# Altium PCB LAY-94611_B.PcbDoc (part 12 of 16)
Units mil, origin at the board's own origin, x right, y up, seen from the top; angles counter-clockwise.
Board outline 4133.86 x 2559.05 mil, 10 copper layers (TOP, GND02, ART03, PWR04, PWR05, ART06, GND7, ART08, GND09, BOTTOM), stack 57.82 mil thick; 1104 components, 727 nets, 3774 pads, 1630 vias.
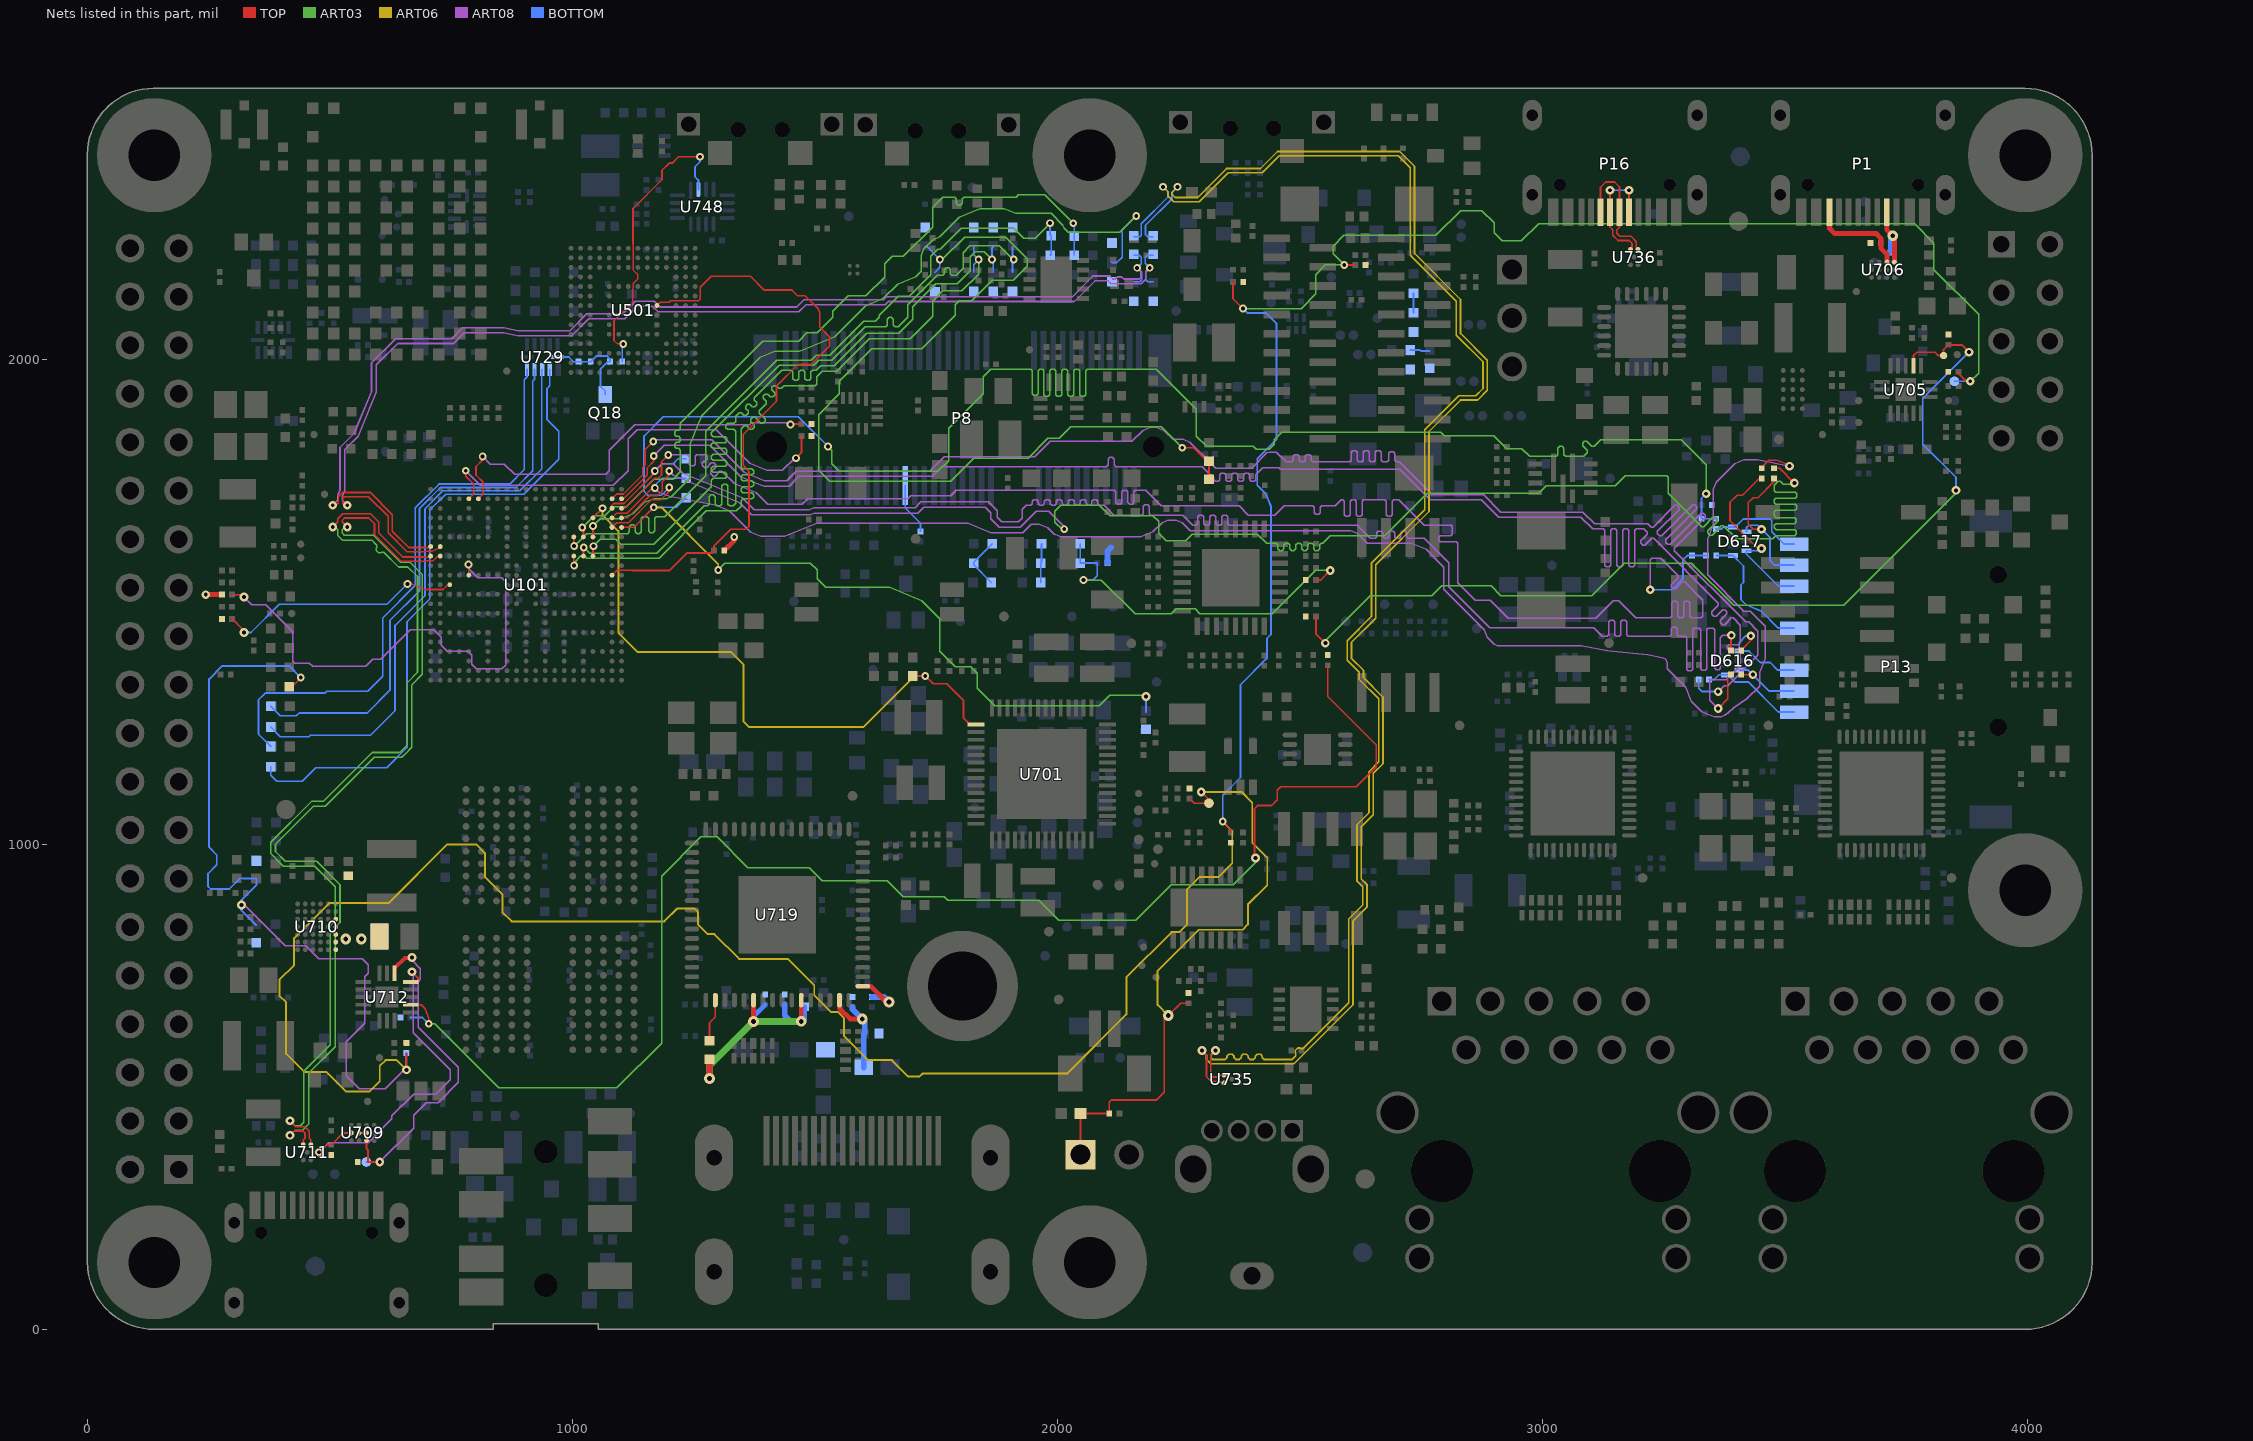
[diagram p20: the nets of this part, all layers, seen from the top]

## Via types
v1: diameter 16/16/0/0/0/0/16/0/16/16 (per signal layer), hole 8, TOP to BOTTOM, tented both sides, 177 vias
v2: diameter 22/22/0/0/0/0/22/0/22/22 (per signal layer), hole 10, TOP to BOTTOM, tented both sides, 156 vias
v3: diameter 16/0/16/0/0/0/0/0/0/16 (per signal layer), hole 8, TOP to BOTTOM, tented both sides, 137 vias
v4: diameter 16/0/0/0/0/16/0/0/0/16 (per signal layer), hole 8, TOP to BOTTOM, tented both sides, 94 vias
v5: diameter 16, hole 8, TOP to BOTTOM, tented both sides, 88 vias
v6: diameter 18/0/0/0/0/0/0/18/0/18 (per signal layer), hole 8, TOP to BOTTOM, tented both sides, 84 vias
v7: diameter 22, hole 10, TOP to BOTTOM, tented both sides, 83 vias
v8: diameter 18, hole 8.1, TOP to BOTTOM, tented both sides, 78 vias
v9: diameter 16/0/0/0/0/0/0/16/0/16 (per signal layer), hole 8, TOP to BOTTOM, tented both sides, 77 vias
v10: diameter 18/18/0/0/0/0/18/0/18/18 (per signal layer), hole 8, TOP to BOTTOM, tented both sides, 62 vias
v11: diameter 18/0/18/0/0/0/0/0/0/18 (per signal layer), hole 8, TOP to BOTTOM, tented both sides, 50 vias
v12: diameter 16/0/0/16/0/0/0/0/0/16 (per signal layer), hole 8, TOP to BOTTOM, tented both sides, 49 vias
v13: diameter 22/0/0/0/22/0/0/0/0/22 (per signal layer), hole 10, TOP to BOTTOM, tented both sides, 49 vias
v14: diameter 22/0/22/0/0/0/0/0/0/22 (per signal layer), hole 10, TOP to BOTTOM, tented both sides, 48 vias
v15: diameter 18, hole 8, TOP to BOTTOM, tented both sides, 47 vias
v16: diameter 16/0/0/0/16/0/0/0/0/16 (per signal layer), hole 8, TOP to BOTTOM, tented both sides, 40 vias
v17: diameter 22/0/0/22/0/0/0/0/0/22 (per signal layer), hole 10, TOP to BOTTOM, tented both sides, 40 vias
v18: diameter 22/0/0/0/0/0/0/22/0/22 (per signal layer), hole 10, TOP to BOTTOM, tented both sides, 31 vias
v19: diameter 22/0/0/0/0/22/0/0/0/22 (per signal layer), hole 10, TOP to BOTTOM, tented both sides, 30 vias
v20: diameter 18/0/0/0/0/18/0/0/0/18 (per signal layer), hole 8, TOP to BOTTOM, tented both sides, 27 vias
v21: diameter 16/16/16/0/0/0/0/0/0/16 (per signal layer), hole 8, TOP to BOTTOM, tented both sides, 24 vias
v22: diameter 16/0/16/0/0/16/0/0/0/16 (per signal layer), hole 8, TOP to BOTTOM, tented both sides, 14 vias
v23: diameter 22/22/0/22/0/0/22/0/22/22 (per signal layer), hole 10, TOP to BOTTOM, tented both sides, 14 vias
v24: diameter 16/16/16/0/0/0/16/0/16/16 (per signal layer), hole 8, TOP to BOTTOM, tented both sides, 11 vias
v25: diameter 18/0/0/0/0/18/0/18/0/18 (per signal layer), hole 8, TOP to BOTTOM, tented both sides, 11 vias
v26: diameter 18/0/0/18/0/0/0/0/0/18 (per signal layer), hole 8, TOP to BOTTOM, tented both sides, 11 vias
v27: diameter 18/0/0/0/18/0/0/0/0/18 (per signal layer), hole 8, TOP to BOTTOM, tented both sides, 10 vias
v28: diameter 16/0/16/0/0/0/0/16/0/16 (per signal layer), hole 8, TOP to BOTTOM, tented both sides, 8 vias
v29: diameter 16/16/0/16/0/0/16/0/16/16 (per signal layer), hole 8, TOP to BOTTOM, tented both sides, 8 vias
v30: diameter 18/18/0/18/0/0/18/0/18/18 (per signal layer), hole 8, TOP to BOTTOM, tented both sides, 6 vias
v31: diameter 22/0/0/0/22/22/0/0/0/22 (per signal layer), hole 10, TOP to BOTTOM, tented both sides, 6 vias
v32: diameter 16/0/16/16/0/0/0/0/0/16 (per signal layer), hole 8, TOP to BOTTOM, tented both sides, 5 vias
v33: diameter 18/18/0/18/18/0/18/0/18/18 (per signal layer), hole 8, TOP to BOTTOM, tented both sides, 5 vias
v34: diameter 16/0/0/0/0/16/0/16/0/16 (per signal layer), hole 8, TOP to BOTTOM, tented both sides, 4 vias
v35: diameter 22/0/22/22/0/0/0/0/0/22 (per signal layer), hole 10, TOP to BOTTOM, tented both sides, 4 vias
v36: diameter 16/0/16/16/0/16/0/0/0/16 (per signal layer), hole 8, TOP to BOTTOM, tented both sides, 3 vias
v37: diameter 22/22/0/0/22/0/22/0/22/22 (per signal layer), hole 10, TOP to BOTTOM, tented both sides, 3 vias
v38: diameter 22/0/0/22/22/22/0/0/0/22 (per signal layer), hole 10, TOP to BOTTOM, tented both sides, 3 vias
v39: diameter 22/0/22/0/0/22/0/0/0/22 (per signal layer), hole 10, TOP to BOTTOM, tented both sides, 3 vias
v40: diameter 22/0/22/0/0/0/0/22/0/22 (per signal layer), hole 10, TOP to BOTTOM, tented both sides, 3 vias
v41: diameter 16/0/16/0/16/0/0/0/0/16 (per signal layer), hole 8, TOP to BOTTOM, tented both sides, 3 vias
v42: diameter 22/22/0/22/22/0/22/0/22/22 (per signal layer), hole 10, TOP to BOTTOM, tented both sides, 2 vias
v43: diameter 18/0/18/0/0/0/0/18/0/18 (per signal layer), hole 8, TOP to BOTTOM, tented both sides, 2 vias
v44: diameter 22/0/0/22/0/22/0/0/0/22 (per signal layer), hole 10, TOP to BOTTOM, tented both sides, 2 vias
v45: diameter 22/0/0/0/0/22/0/22/0/22 (per signal layer), hole 10, TOP to BOTTOM, tented both sides, 2 vias
v46: diameter 22/0/22/0/22/0/0/0/0/22 (per signal layer), hole 10, TOP to BOTTOM, tented both sides, 2 vias
v47: diameter 22/0/0/22/22/0/0/0/0/22 (per signal layer), hole 10, TOP to BOTTOM, tented both sides, 2 vias
v48: diameter 16/0/0/16/0/16/0/0/0/16 (per signal layer), hole 8, TOP to BOTTOM, tented both sides, 1 vias
v49: diameter 18/0/18/0/0/18/0/0/0/18 (per signal layer), hole 8, TOP to BOTTOM, tented both sides, 1 vias
v50: diameter 18/18/0/0/18/0/18/0/18/18 (per signal layer), hole 8, TOP to BOTTOM, tented both sides, 1 vias
v51: diameter 16/16/0/16/16/0/16/0/16/16 (per signal layer), hole 8, TOP to BOTTOM, tented both sides, 1 vias
v52: diameter 18/0/18/0/18/0/0/0/0/18 (per signal layer), hole 8, TOP to BOTTOM, tented both sides, 1 vias
v53: diameter 18/0/0/0/18/18/0/0/0/18 (per signal layer), hole 8, TOP to BOTTOM, tented both sides, 1 vias
v54: diameter 22/0/22/0/22/22/0/22/0/22 (per signal layer), hole 10, TOP to BOTTOM, tented both sides, 1 vias
v55: diameter 22/0/0/0/22/22/0/22/0/22 (per signal layer), hole 10, TOP to BOTTOM, tented both sides, 1 vias
v56: diameter 16/16/16/0/0/0/16/0/0/16 (per signal layer), hole 8, TOP to BOTTOM, tented both sides, 1 vias
v57: diameter 22/0/0/22/0/0/0/22/0/22 (per signal layer), hole 10, TOP to BOTTOM, tented both sides, 1 vias
v58: diameter 16/0/0/0/16/16/0/0/0/16 (per signal layer), hole 8, TOP to BOTTOM, tented both sides, 1 vias
v59: diameter 16/0/0/16/16/0/0/0/0/16 (per signal layer), hole 8, TOP to BOTTOM, tented both sides, 1 vias

## Nets (pads, with @x,y where several pads share a name; then routed paths per layer and width w, separated by ;. In a path a pad name is that pad's centre, name@x,y a point inside that pad or via, vN(x,y) a via of type N, cw(c..) or ccw(c..) an arc to the next point about the centre after c; other vN are vias at no path point) (continued)
SD1_STROBE: R822.2 U101.Y12 U501.H5 | length 1317.4
  TOP w3.2: U101.Y12@1081.76,1555.18 1091.58,1565 1122.8,1565 ; U501.H5@1174.39,2111.08 1181.22,2117.92 1199.9,2117.92 1202.98,2121 1260.18,2121 1263.8,2124.62 1263.8,2125.78
  TOP w3.62: 1122.8,1565 1200.8,1565 1236.8,1601 1287.29,1601 1292.29,1606 1292.29,1615.99 1326.3,1650 1357.8,1650 1364.18,1656.38 1364.18,1769.61 1352.18,1781.61 1352.18,1845.33 1421.18,1914.33 1421.18,1945.4 1465.4,1989.62 1492.4,1989.62 1530,2027.22 1530,2046.98 1510,2066.98 1510,2096.59 1506.71,2104.53 1479.74,2131.5 1464.3,2131.5 1452.8,2143 1395.79,2143 1367.41,2171.38 1286.38,2171.38 1263.8,2148.8 1263.8,2125.78
  TOP w10: R822.2@1313.31,1606 1333.8,1626.49 v1(1333.8,1634)
SD2_CLK: R2898.1 R2901.1 U101.AA19 | length 3610.6
  TOP w3.2: U101.AA19@1101.45,1692.97 1108.27,1692.97 1170.3,1755 1177.32,1755 1183.8,1761.48 1183.8,1789 v9(1197.8,1803)
  ART08 w3.09: v9(1197.8,1803) 1237.45,1803 1240.54,1799.91 1240.54,1784.09 1243.63,1781 1249.81,1781 1252.9,1784.09 1252.9,1799.91 1255.99,1803 1274.8,1803 1277.96,1799.84 1277.96,1795.48 1268.32,1785.84 1268.32,1781.48 1272.7,1777.1 1277.06,1777.1 1286.7,1786.74 1291.06,1786.74 1295.44,1782.36 1295.44,1778 1285.8,1768.36 1285.8,1764 1290.18,1759.62 1294.54,1759.62 1304.18,1769.26 1308.54,1769.26 1334.61,1743.19 1379,1724.8 1402.8,1701 1473.8,1701 1485.8,1713 1691.8,1713 1697.8,1719 1780.8,1719 1791.8,1730 2117.13,1730 2120.22,1726.91 2120.22,1705.09 2124.31,1701 2129.49,1701 2132.58,1704.09 2132.58,1726.91 2135.67,1730 2141.85,1730 2144.94,1726.91 2144.94,1705.09 2149.03,1701 2154.21,1701 2157.3,1704.09 2157.3,1726.91 2160.39,1730 2182.8,1730 2214.8,1698 2374.8,1698 2393.8,1679 2448.8,1679 2467.8,1698 2527.17,1698 2530.26,1694.91 2530.26,1684.02 2533.35,1680.93 2539.53,1680.93 2542.62,1684.02 2542.62,1694.91 2545.71,1698 2572.8,1698 2585.8,1711 2588.75,1711 2591.84,1707.91 2591.84,1680.09 2594.93,1677 2601.11,1677 2604.2,1680.09 2604.2,1707.91 2607.29,1711 2613.47,1711 2616.56,1707.91 2616.56,1680.09 2619.65,1677 2625.83,1677 2628.92,1680.09 2628.92,1707.91 2632.01,1711 2674.82,1711 2677.91,1707.91 2677.91,1680.09 2681,1677 2687.18,1677 2690.27,1680.09 2690.27,1707.91 2693.36,1711 2703.8,1711 2756.8,1658 2811.71,1658 2814.8,1654.91 2814.8,1639.68 2811.71,1636.59 2789.89,1636.59 2786.8,1633.5 2786.8,1627.32 2789.89,1624.23 2822.71,1624.23 2825.8,1621.14 2825.8,1539.2 2862,1503 2893,1503 2930,1466 3110.8,1466 3146.8,1502 3158,1502 3193,1467 3263.82,1467 3266.91,1470.09 3266.91,1497.91 3270,1501 3276.18,1501 3279.27,1497.91 3279.27,1470.09 3282.36,1467 3288.54,1467 3291.63,1470.09 3291.63,1497.91 3294.72,1501 3300.9,1501 3303.99,1497.91 3303.99,1470.09 3307.08,1467 3327.97,1467 3331.06,1470.09 3331.06,1503.73 3293.59,1541.2 3289.22,1541.2 3275.09,1527.07 3270.73,1527.07 3266.35,1531.45 3266.35,1535.81 3280.48,1549.94 3280.48,1554.31 3244.79,1590 3225.89,1590 3222.8,1586.91 v6(3222.8,1525)
  BOTTOM w3.62: v6(3222.8,1525) 3267.8,1525 3290.21,1547.41 3290.21,1586.78 3298.98,1595.55 R2898.1@3308.94,1595.55 3337.92,1595.55
SD2_CMD: R311.2 R2900.1 U101.Y19 | length 3604.7
  TOP w3.2: U101.Y19@1081.76,1692.97 1081.76,1699.71 1084.96,1702.91 1106.71,1702.91 1170.01,1766.21 v9(1170.01,1770)
  TOP w3.62: 3389.49,1400 3389.49,1430.49 v6(3390,1431)
  ART08 w3.09: v9(1170.01,1770) 1185.01,1785 1207.8,1785 1227.43,1765.37 1350.34,1714.46 1374.8,1690 1488.22,1690 1497.85,1694 1706.7,1694 1718.8,1706.1 1857.7,1706.1 1875.8,1688 1875.8,1675 1885.8,1665 1919.8,1665 1927.8,1673 1927.8,1690.8 1936,1699 1945.21,1699 1948.3,1702.09 1948.3,1707.91 1951.39,1711 1957.57,1711 1960.66,1707.91 1960.66,1702.09 1963.75,1699 1969.93,1699 1973.02,1702.09 1973.02,1707.91 1976.11,1711 1982.29,1711 1985.38,1707.91 1985.38,1702.09 1988.47,1699 1994.65,1699 1997.74,1702.09 1997.74,1707.91 2000.83,1711 2007.01,1711 2010.1,1707.91 2010.1,1702.09 2013.19,1699 2019.37,1699 2022.46,1702.09 2022.46,1707.91 2025.55,1711 2031.73,1711 2034.82,1707.91 2034.82,1702.09 2037.91,1699 2044.09,1699 2047.18,1702.09 2047.18,1707.91 2050.27,1711 2056.45,1711 2059.54,1707.91 2059.54,1702.09 2062.63,1699 2068.1,1699 2071.19,1702.09 2071.19,1707.91 2074.28,1711 2080.46,1711 2083.55,1707.91 2083.55,1702.09 2086.64,1699 2096.8,1699 2116.8,1679 2174.47,1679 2177.56,1682.09 2177.56,1696.91 2180.65,1700 2186.83,1700 2189.92,1696.91 2189.92,1682.09 2193.01,1679 2258.8,1679 2279.8,1658 2286.4,1658 2289.49,1661.09 2289.49,1675.91 2292.58,1679 2298.76,1679 2301.85,1675.91 2301.85,1661.09 2304.94,1658 2311.12,1658 2314.21,1661.09 2314.21,1675.91 2317.3,1679 2323.48,1679 2326.57,1675.91 2326.57,1661.09 2329.66,1658 2335.84,1658 2338.93,1661.09 2338.93,1675.91 2342.02,1679 2348.2,1679 2351.29,1675.91 2351.29,1661.09 2354.38,1658 2619.06,1658 2645.79,1631.27 2655.27,1631.27 2658.36,1634.36 2658.36,1642.91 2661.45,1646 2667.63,1646 2670.72,1642.91 2670.72,1634.36 2673.81,1631.27 2679.99,1631.27 2683.08,1634.36 2683.08,1642.91 2686.17,1646 2692.35,1646 2695.44,1642.91 2695.44,1634.36 2698.53,1631.27 2704.71,1631.27 2707.8,1634.36 2707.8,1642.91 2710.89,1646 2717.07,1646 2720.16,1642.91 2720.16,1634.36 2723.25,1631.27 2756.53,1631.27 2807.4,1580.4 2807.4,1531.11 2891.51,1447 3105.8,1447 3123.8,1429 3133.92,1429 3137.01,1432.09 3137.01,1458.91 3140.1,1462 3146.28,1462 3149.37,1458.91 3149.37,1432.09 3152.46,1429 3158.64,1429 3161.73,1432.09 3161.73,1458.91 3164.82,1462 3171,1462 3174.09,1458.91 3174.09,1432.09 3177.18,1429 3263.11,1429 3266.2,1432.09 3266.2,1444.91 3269.29,1448 3275.47,1448 3278.56,1444.91 3278.56,1432.09 3281.65,1429 3294.85,1429 3297.94,1425.91 3297.94,1361.09 3301.03,1358 3307.21,1358 3310.3,1361.09 3310.3,1442.91 3313.39,1446 3323.76,1446 3326.85,1442.91 3326.85,1361.94 3329.94,1358.85 3336.12,1358.85 3339.21,1361.94 3339.21,1442.9 3342.31,1446 3352.22,1446 3355.31,1442.91 3355.31,1363.09 3358.4,1360 3364.58,1360 3367.67,1363.09 3367.67,1425.91 3372.76,1431 v6(3390,1431)
  BOTTOM w3.62: v9(1170.01,1770) 1185.01,1785 1207.8,1785 1217.84,1795.04 R311.2@1234.6,1795.04
SD2_DATA0: R310.2 R2902.1 U101.Y18 | length 3475.5
  TOP w3.2: U101.Y18@1081.76,1673.29 1091.6,1683.13 1112.94,1683.13 1164.81,1735 v9(1170.01,1735)
  TOP w3.62: 3452.8,1775.51 3452.8,1777.79 3467.01,1792 3482.49,1792 3487.17,1791.07 3507.24,1782.76 v6(3510,1780)
  ART08 w3.09: v9(1170.01,1735) 1177.46,1727.55 1199.57,1718.39 1297.05,1699 1323.93,1687.87 1368.29,1643.51 1388.83,1635 1438.21,1635 1503.86,1662.2 1816.45,1662.2 1862.82,1643 1929,1643 1946.5,1660.5 1962.56,1660.5 1980.39,1653.11 1993.62,1639.88 2007.82,1634 2171.93,1634 2197.31,1644.51 2216.54,1663.74 2228.03,1668.5 2244.97,1668.5 2257.49,1663.31 2273.8,1647 2604.75,1647 2618.81,1641.18 2638.81,1621.18 2729.46,1621.18 2760.46,1608.34 2796.8,1572 2796.8,1526 2880.14,1442.66 2886.4,1427.6 2901.59,1412.41 2907.41,1410 3080.72,1410 3134.81,1399.24 3217.38,1391.1 3247.14,1385.18 3253.22,1382.66 3257.83,1375.76 3257.83,1362.17 3295.76,1324.24 3307.78,1295.22 3329.35,1273.65 3355.07,1263 3369.17,1263 3376.67,1266.11 3384.01,1271.01 3395.11,1282.11 3422.25,1300.25 3448.27,1326.27 3448.27,1354.68 3460,1382.99 3460,1450 3429.1,1480.9 3415.9,1480.9 3341,1555.8 3341,1630.76 3352.8,1659.25 3352.8,1732.28 3358.97,1747.17 3397.12,1785.32 3415.66,1793 3444.63,1793 v6(3510,1780)
  BOTTOM w3.62: v9(1170.01,1735) 1170.01,1740 1185.05,1755.04 R310.2@1234.6,1755.04
SD2_DATA1: R2904.1 U101.AA18 | length 3488.8
  TOP w3.2: U101.AA18@1101.45,1673.29 1113.8,1673.29 1159.51,1719 1175.8,1719 1185.8,1729 1185.8,1748 1199.8,1762 v9(1199.8,1770)
  TOP w3.62: 3477.8,1775.51 3489.49,1775.51 v11(3520,1745)
  ART03 w3.09: v28(2014.3,1650) 2009.8,1650 1995.2,1664.6 1995.2,1687.4 2007.4,1699.6 2086.8,1699.6 2108.9,1677.5 2197.3,1677.5 2208.8,1666 2208.8,1642 2224.8,1626 2264.8,1626 2278.8,1640 2412.8,1640 2431.8,1621 2451.06,1621 2454.68,1617.38 2454.68,1609.62 2458.3,1606 2463.42,1606 2467.04,1609.62 2467.04,1617.38 2470.66,1621 2475.78,1621 2479.4,1617.38 2479.4,1609.62 2483.02,1606 2488.14,1606 2491.76,1609.62 2491.76,1617.38 2495.38,1621 2500.5,1621 2504.12,1617.38 2504.12,1609.62 2507.74,1606 2512.86,1606 2516.48,1609.62 2516.48,1617.38 2520.1,1621 2525.22,1621 2528.84,1617.38 2528.84,1609.62 2532.46,1606 2537.58,1606 2541.2,1609.62 2541.2,1617.38 2544.82,1621 2547.8,1621 2563.3,1636.5 2675.3,1636.5 2763.2,1724.4 2992.41,1724.4 3008.01,1740 3151,1740 3171,1760 3256.91,1760 3260,1756.91 3260,1723.82 3328.5,1655.32 3332.86,1655.32 3351.99,1674.45 3356.35,1674.45 3360.73,1670.07 3360.73,1665.71 3341.6,1646.58 3341.6,1642.22 3345.98,1637.84 3350.34,1637.84 3369.47,1656.97 3373.83,1656.97 3400.8,1630 3475.71,1630 3478.8,1633.09 3478.8,1633.23 3482.42,1636.85 3520.38,1636.85 3524,1640.47 3524,1645.59 3520.38,1649.21 3482.42,1649.21 3478.8,1652.83 3478.8,1657.95 3482.42,1661.57 3520.38,1661.57 3524,1665.19 3524,1670.31 3520.38,1673.93 3482.42,1673.93 3478.8,1677.55 3478.8,1686.24 3481.89,1689.33 3521.71,1689.33 3524.8,1692.42 3524.8,1698.6 3521.71,1701.69 3481.89,1701.69 3478.8,1704.78 3478.8,1710.96 3481.89,1714.05 3521.71,1714.05 3524.8,1717.14 3524.8,1723.32 3521.71,1726.41 3481.89,1726.41 3478.8,1729.5 3478.8,1741 3486.33,1748.53 3490.69,1748.53 3496.83,1742.39 3517.39,1742.39 v11(3520,1745)
  ART08 w3.09: v9(1199.8,1770) 1208.3,1761.5 1344.87,1704.93 1370.2,1679.6 1490.82,1679.6 1499.03,1683 1712.1,1683 1724.8,1695.7 1851.1,1695.7 1862.8,1684 1862.8,1672 1880.8,1654 1923.8,1654 1956.8,1687 1982.8,1687 2014.64,1655.16 2014.64,1650.34 v28(2014.3,1650)
SD2_DATA2: R2903.1 U101.Y20 | length 3634.4
  TOP w3.2: U101.Y20@1081.76,1712.66 1091.69,1722.59 1105.57,1722.59 1144.8,1761.82 1144.8,1776.99 1149.8,1781.99 1149.8,1814 v9(1166.8,1831)
  ART08 w3.09: v9(1166.8,1831) 1169.8,1834 1287.8,1834 1354.61,1767.19 1396.11,1750 1441.8,1750 1461.3,1769.5 1737.3,1769.5 1766.8,1799 1953.8,1799 1985.8,1831 2153.8,1831 2176.26,1853.46 2192.05,1860 2204.14,1860 2220.63,1853.17 2238.8,1835 2259.57,1835 2273.62,1829.18 2326.8,1776 2400.8,1776 2431.95,1807.15 2436.41,1809 2451.8,1809 2471.8,1789 2483.44,1789 2486.53,1792.09 2486.53,1799.91 2489.62,1803 2495.8,1803 2498.89,1799.91 2498.89,1792.09 2501.98,1789 2508.16,1789 2511.25,1792.09 2511.25,1799.91 2514.34,1803 2520.52,1803 2523.61,1799.91 2523.61,1792.09 2526.7,1789 2603.27,1789 2606.36,1792.09 2606.36,1808.91 2609.45,1812 2615.63,1812 2618.72,1808.91 2618.72,1792.09 2621.81,1789 2627.99,1789 2631.08,1792.09 2631.08,1808.91 2634.17,1812 2640.35,1812 2643.44,1808.91 2643.44,1792.09 2646.53,1789 2652.71,1789 2655.8,1792.09 2655.8,1808.91 2658.89,1812 2665.07,1812 2668.16,1808.91 2668.16,1792.09 2671.25,1789 2680.17,1789 2683.26,1792.09 2683.26,1806.91 2686.35,1810 2692.53,1810 2695.62,1806.91 2695.62,1792.09 2698.71,1789 2705.31,1789 2773.22,1721.09 2878.98,1721.09 2914.98,1685.09 3083.98,1685.09 3107.98,1661.09 3217.39,1661.09 3224.41,1654.07 3228.77,1654.07 3273.67,1698.97 3278.03,1698.97 3282.41,1694.59 3282.41,1690.23 3237.51,1645.33 3237.51,1640.97 3241.89,1636.59 3246.25,1636.59 3310.05,1700.39 3314.41,1700.39 3318.79,1696.01 3318.79,1691.65 3254.99,1627.85 3254.99,1623.49 3259.37,1619.11 3263.73,1619.11 3327.53,1682.91 3331.89,1682.91 3336.27,1678.53 3336.27,1674.17 3272.47,1610.37 3272.47,1606.01 3419.24,1459.24 3425.76,1459.24 3445,1440 3445,1390 3382.5,1327.5 3375.3,1327.5 v6(3362.8,1315)
  BOTTOM w3.62: 3322.92,1340 3322.92,1322.08 3330,1315 v6(3362.8,1315)
SD2_DATA3: R2905.1 U101.AA20 | length 3612.2
  TOP w3.2: U101.AA20@1101.45,1712.66 1105.47,1712.66 1154.8,1761.99 1154.8,1776.99 1167.8,1789.99 v9(1167.8,1801)
  TOP w3.62: v6(3362.8,1280) 3382.8,1300 3382.8,1343.31 3389.49,1350
  ART08 w3.09: v9(1167.8,1801) 1189.8,1823 1282.8,1823 1347.19,1758.61 1394.53,1739 1446.8,1739 1466.8,1759 1741.8,1759 1761.8,1779 2100.98,1779 2104.6,1782.62 2104.6,1794.38 2108.22,1798 2113.34,1798 2116.96,1794.38 2116.96,1782.62 2120.58,1779 2298.8,1779 2322.38,1755.42 2322.38,1752.09 2325.47,1749 2331.65,1749 2334.74,1752.09 2334.74,1761.91 2337.83,1765 2344.01,1765 2347.1,1761.91 2347.1,1752.09 2350.19,1749 2356.37,1749 2359.46,1752.09 2359.46,1761.91 2362.55,1765 2368.73,1765 2371.82,1761.91 2371.82,1752.09 2374.91,1749 2381.09,1749 2384.18,1752.09 2384.18,1761.91 2387.27,1765 2393.45,1765 2396.54,1761.91 2396.54,1752.09 2399.63,1749 2405.81,1749 2408.9,1752.09 2408.9,1761.91 2411.99,1765 2412.8,1765 2424.1,1776.3 2457.5,1776.3 2459.8,1774 2706.04,1774 2769.04,1711 2874.8,1711 2910.8,1675 3079.8,1675 3103.8,1651 3126.01,1651 3129.1,1647.91 3129.1,1576.09 3132.19,1573 3138.37,1573 3141.46,1576.09 3141.46,1647.91 3144.55,1651 3150.73,1651 3153.82,1647.91 3153.82,1576.09 3156.91,1573 3163.09,1573 3166.18,1576.09 3166.18,1647.91 3169.27,1651 3175.45,1651 3178.54,1647.91 3178.54,1576.09 3181.63,1573 3187.81,1573 3190.9,1576.09 3190.9,1647.91 3193.99,1651 3209.8,1651 3216.77,1644.03 3216.77,1639.67 3203.13,1626.03 3203.13,1621.67 3207.51,1617.29 3211.87,1617.29 3225.51,1630.93 3229.87,1630.93 3363.39,1497.41 3363.39,1493.05 3349.75,1479.41 3349.75,1475.05 3354.13,1470.67 3358.49,1470.67 3372.13,1484.31 3376.49,1484.31 3380.87,1479.93 3380.87,1475.57 3367.23,1461.93 3367.23,1457.57 3371.61,1453.19 3375.97,1453.19 3389.61,1466.83 3393.97,1466.83 3408.8,1452 3408.8,1415.66 3405.18,1412.04 3385.62,1412.04 3382,1408.42 3382,1403.3 3385.62,1399.68 3405.18,1399.68 3408.8,1396.06 3408.8,1368.8 3380,1340 3348.64,1340 3345.55,1336.91 3345.55,1297.25 v6(3362.8,1280)
SD2_nCD: R2896.1 R2897.2 R2899.1 U101.Y17 | length 3659.4
  TOP w3.2: U101.Y17@1081.76,1653.6 1091.59,1663.43 1115.8,1663.43 1163.37,1711 1182.8,1711 1199.8,1728 v5(1199.8,1736)
  ART03 w3.09: v3(1527.3,1820.5) 1534.8,1813 1534.8,1785 1550.8,1769 1753.8,1769 1775.7,1790.9 1775.7,1858.47 1846.8,1929.57 1846.8,1964 1862.8,1980 1944.78,1980 1947.87,1976.91 1947.87,1929.09 1950.96,1926 1957.14,1926 1960.23,1929.09 1960.23,1976.91 1963.32,1980 1969.5,1980 1972.59,1976.91 1972.59,1927.09 1975.68,1924 1981.86,1924 1984.95,1927.09 1984.95,1976.91 1988.04,1980 1994.22,1980 1997.31,1976.91 1997.31,1927.09 2000.4,1924 2006.58,1924 2009.67,1927.09 2009.67,1976.91 2012.76,1980 2018.94,1980 2022.03,1976.91 2022.03,1927.09 2025.12,1924 2031.3,1924 2034.39,1927.09 2034.39,1976.91 2037.48,1980 2043.66,1980 2046.75,1976.91 2046.75,1927.09 2049.84,1924 2056.02,1924 2059.11,1927.09 2059.11,1976.91 2062.2,1980 2204.17,1980 2287,1897.17 2287,1842 2308,1821 2404,1821 2410,1815 2437,1815 2447,1825 2447,1834 2463,1850 2791,1850 2798,1843 2900,1843 2927,1816 2958,1816 2974,1800 3028.62,1800 3032.24,1803.62 3032.24,1817.38 3035.86,1821 3040.98,1821 3044.6,1817.38 3044.6,1803.62 3048.22,1800 3086,1800 3093.21,1807.21 3093.21,1812.33 3083.33,1822.21 3083.33,1827.33 3086.95,1830.95 3092.07,1830.95 3101.95,1821.07 3107.07,1821.07 3120.5,1834.5 3286.5,1834.5 3338.03,1782.97 v11(3338.03,1723.1)

## Text inside footprints (layer, text, board x,y; h text height)
U101: Top Pin Number "G12" at 836.62,1562.52 h10 r180; Top Pin Number "V8" at 1061.15,1483.77 h10 r180; Top Pin Number "V6" at 1061.15,1444.4 h10 r180; Top Pin Number "Y6" at 1100.52,1444.4 h10 r180; Top Pin Number "U8" at 1041.47,1483.77 h10 r180; Top Pin Number "AA4" at 1112.21,1405.03 h10 r180; Top Pin Number "U6" at 1041.47,1444.4 h10 r180; Top Pin Number "Y5" at 1100.52,1424.72 h10 r180; Top Pin Number "Y4" at 1100.52,1405.03 h10 r180; Top Pin Number "V2" at 1061.15,1365.66 h10 r180; Top Pin Number "V1" at 1061.15,1345.98 h10 r180; Top Pin Number "R1" at 1002.1,1345.98 h10 r180; Top Pin Number "N2" at 962.73,1365.66 h10 r180; Top Pin Number "D4" at 785.56,1405.03 h10 r180; Top Pin Number "M2" at 943.04,1365.66 h10 r180; Top Pin Number "U1" at 1041.47,1345.98 h10 r180; Top Pin Number "K1" at 903.67,1345.98 h10 r180; Top Pin Number "M1" at 943.04,1345.98 h10 r180; Top Pin Number "R4" at 1002.1,1405.03 h10 r180; Top Pin Number "G1" at 844.62,1345.98 h10 r180; Top Pin Number "P2" at 982.41,1365.66 h10 r180; Top Pin Number "U2" at 1041.47,1365.66 h10 r180; Top Pin Number "A16" at 718.51,1641.26 h10 r180; Top Pin Number "N1" at 962.73,1345.98 h10 r180; Top Pin Number "D2" at 785.56,1365.66 h10 r180; Top Pin Number "H2" at 864.3,1365.66 h10 r180; Top Pin Number "E4" at 805.25,1405.03 h10 r180; Top Pin Number "K2" at 903.67,1365.66 h10 r180; Top Pin Number "J4" at 883.99,1405.03 h10 r180; Top Pin Number "N4" at 962.73,1405.03 h10 r180; Top Pin Number "H1" at 864.3,1345.98 h10 r180; Top Pin Number "P1" at 982.41,1345.98 h10 r180; Top Pin Number "L4" at 923.36,1405.03 h10 r180; Top Pin Number "J1" at 883.99,1345.98 h10 r180; Top Pin Number "G14" at 836.62,1601.89 h10 r180; Top Pin Number "T2" at 1021.78,1365.66 h10 r180; Top Pin Number "R2" at 1002.1,1365.66 h10 r180; Top Pin Number "G2" at 844.62,1365.66 h10 r180; Top Pin Number "F2" at 824.93,1365.66 h10 r180; Top Pin Number "E2" at 805.25,1365.66 h10 r180; Top Pin Number "D1" at 785.56,1345.98 h10 r180; Top Pin Number "E1" at 805.25,1345.98 h10 r180; Top Pin Number "R5" at 1002.1,1424.72 h10 r180; Top Pin Number "J2" at 883.99,1365.66 h10 r180; Top Pin Number "D18" at 777.56,1680.63 h10 r180; Top Pin Number "G5" at 844.62,1424.72 h10 r180; Top Pin Number "Y12" at 1092.52,1562.52 h10 r180; Top Pin Number "AA13" at 1104.21,1582.2 h10 r180; Top Pin Number "F1" at 824.93,1345.98 h10 r180; Top Pin Number "AA14" at 1104.21,1601.89 h10 r180; Top Pin Number "G4" at 844.62,1405.03 h10 r180; Top Pin Number "L2" at 923.36,1365.66 h10 r180; Top Pin Number "Y14" at 1092.52,1601.89 h10 r180; Top Pin Number "Y15" at 1092.52,1621.57 h10 r180; Top Pin Number "E16" at 797.25,1641.26 h10 r180; Top Pin Number "Y16" at 1092.52,1641.26 h10 r180; Top Pin Number "AA16" at 1104.21,1641.26 h10 r180; Top Pin Number "AA15" at 1104.21,1621.57 h10 r180; Top Pin Number "AA12" at 1104.21,1562.52 h10 r180; Top Pin Number "Y13" at 1092.52,1582.2 h10 r180; Top Pin Number "E18" at 797.25,1680.63 h10 r180; Top Pin Number "Y11" at 1092.52,1542.83 h10 r180; Top Pin Number "D16" at 777.56,1641.26 h10 r180; Top Pin Number "AA9" at 1112.21,1503.46 h10 r180; Top Pin Number "AA3" at 1112.21,1385.35 h10 r180; Top Pin Number "T8" at 1021.78,1483.77 h10 r180; Top Pin Number "AA19" at 1104.21,1700.31 h10 r180; Top Pin Number "W11" at 1072.84,1542.83 h10 r180; Top Pin Number "Y7" at 1100.52,1464.09 h10 r180; Top Pin Number "AA17" at 1104.21,1660.94 h10 r180; Top Pin Number "Y8" at 1100.52,1483.77 h10 r180; Top Pin Number "T14" at 1013.78,1601.89 h10 r180; Top Pin Number "Y18" at 1092.52,1680.63 h10 r180; Top Pin Number "U10" at 1033.47,1523.14 h10 r180; Top Pin Number "T12" at 1013.78,1562.52 h10 r180; Top Pin Number "Y10" at 1092.52,1523.14 h10 r180; Top Pin Number "B11" at 738.19,1542.83 h10 r180; Top Pin Number "T16" at 1013.78,1641.26 h10 r180; Top Pin Number "E14" at 797.25,1601.89 h10 r180; Top Pin Number "A11" at 718.51,1542.83 h10 r180; Top Pin Number "AA8" at 1112.21,1483.77 h10 r180; Top Pin Number "F12" at 816.93,1562.52 h10 r180; Top Pin Number "E10" at 797.25,1523.14 h10 r180; Top Pin Number "Y9" at 1100.52,1503.46 h10 r180; Top Pin Number "D10" at 777.56,1523.14 h10 r180; Top Pin Number "U16" at 1033.47,1641.26 h10 r180; Top Pin Number "AA5" at 1112.21,1424.72 h10 r180; Top Pin Number "AA20" at 1104.21,1720 h10 r180; Top Pin Number "T10" at 1013.78,1523.14 h10 r180; Top Pin Number "AA11" at 1104.21,1542.83 h10 r180; Top Pin Number "AA6" at 1112.21,1444.4 h10 r180; Top Pin Number "V10" at 1053.15,1523.14 h10 r180; Top Pin Number "V12" at 1053.15,1562.52 h10 r180; Top Pin Number "Y19" at 1092.52,1700.31 h10 r180; Top Pin Number "AA10" at 1104.21,1523.14 h10 r180; Top Pin Number "V18" at 1053.15,1680.63 h10 r180; Top Pin Number "U14" at 1033.47,1601.89 h10 r180; Top Pin Number "Y17" at 1092.52,1660.94 h10 r180; Top Pin Number "V14" at 1053.15,1601.89 h10 r180; Top Pin Number "AA18" at 1104.21,1680.63 h10 r180; Top Pin Number "Y20" at 1092.52,1720 h10 r180; Top Pin Number "AA7" at 1112.21,1464.09 h10 r180; Top Pin Number "Y1" at 1100.52,1345.98 h10 r180; Top Pin Number "U12" at 1033.47,1562.52 h10 r180; Top Pin Number "W2" at 1080.84,1365.66 h10 r180; Top Pin Number "V16" at 1053.15,1641.26 h10 r180; Top Pin Number "W1" at 1080.84,1345.98 h10 r180; Top Pin Number "D20" at 777.56,1720 h10 r180; Top Pin Number "Y2" at 1100.52,1365.66 h10 r180; Top Pin Number "N16" at 954.73,1641.26 h10 r180; Top Pin Number "N15" at 954.73,1621.57 h10 r180; Top Pin Number "L16" at 915.36,1641.26 h10 r180; Top Pin Number "G10" at 836.62,1523.14 h10 r180; Top Pin Number "D21" at 777.56,1739.68 h10 r180; Top Pin Number "C20" at 757.88,1720 h10 r180; Top Pin Number "N11" at 954.73,1542.83 h10 r180; Top Pin Number "J11" at 875.99,1542.83 h10 r180; Top Pin Number "J12" at 875.99,1562.52 h10 r180; Top Pin Number "J10" at 875.99,1523.14 h10 r180; Top Pin Number "K12" at 895.67,1562.52 h10 r180; Top Pin Number "K10" at 895.67,1523.14 h10 r180; Top Pin Number "J9" at 883.99,1503.46 h10 r180; Top Pin Number "K9" at 903.67,1503.46 h10 r180; Top Pin Number "M12" at 935.04,1562.52 h10 r180; Top Pin Number "M10" at 935.04,1523.14 h10 r180; Top Pin Number "N12" at 954.73,1562.52 h10 r180; Top Pin Number "N10" at 954.73,1523.14 h10 r180; Top Pin Number "M9" at 943.04,1503.46 h10 r180; Top Pin Number "N9" at 962.73,1503.46 h10 r180; Top Pin Number "J13" at 875.99,1582.2 h10 r180; Top Pin Number "K13" at 895.67,1582.2 h10 r180; Top Pin Number "M13" at 935.04,1582.2 h10 r180; Top Pin Number "N13" at 954.73,1582.2 h10 r180; Top Pin Number "R16" at 994.1,1641.26 h10 r180; Top Pin Number "E21" at 797.25,1739.68 h10 r180; Top Pin Number "J18" at 875.99,1680.63 h10 r180; Top Pin Number "H21" at 856.3,1739.68 h10 r180; Top Pin Number "A1" at 726.51,1345.98 h10 r180; Top Pin Number "C2" at 765.88,1365.66 h10 r180; Top Pin Number "C8" at 765.88,1483.77 h10 r180; Top Pin Number "C10" at 757.88,1523.14 h10 r180; Top Pin Number "C4" at 765.88,1405.03 h10 r180; Top Pin Number "C6" at 765.88,1444.4 h10 r180; Top Pin Number "U3" at 1041.47,1385.35 h10 r180; Top Pin Number "N3" at 962.73,1385.35 h10 r180; Top Pin Number "R3" at 1002.1,1385.35 h10 r180; Top Pin Number "L3" at 923.36,1385.35 h10 r180; Top Pin Number "J3" at 883.99,1385.35 h10 r180; Top Pin Number "G3" at 844.62,1385.35 h10 r180; Top Pin Number "E3" at 805.25,1385.35 h10 r180; Top Pin Number "L1" at 923.36,1345.98 h10 r180; Top Pin Number "H8" at 864.3,1483.77 h10 r180; Top Pin Number "H10" at 856.3,1523.14 h10 r180; Top Pin Number "J8" at 883.99,1483.77 h10 r180; Top Pin Number "P10" at 974.41,1523.14 h10 r180; Top Pin Number "P8" at 982.41,1483.77 h10 r180; Top Pin Number "L8" at 923.36,1483.77 h10 r180; Top Pin Number "N8" at 962.73,1483.77 h10 r180; Top Pin Number "N5" at 962.73,1424.72 h10 r180; Top Pin Number "L5" at 923.36,1424.72 h10 r180; Top Pin Number "J5" at 883.99,1424.72 h10 r180; Top Pin Number "AA1" at 1112.21,1345.98 h10 r180; Top Pin Number "T1" at 1021.78,1345.98 h10 r180; Top Pin Number "W4" at 1080.84,1405.03 h10 r180; Top Pin Number "W6" at 1080.84,1444.4 h10 r180; Top Pin Number "C16" at 757.88,1641.26 h10 r180; Top Pin Number "C14" at 757.88,1601.89 h10 r180; Top Pin Number "C12" at 757.88,1562.52 h10 r180; Top Pin Number "C18" at 757.88,1680.63 h10 r180; Top Pin Number "K11" at 895.67,1542.83 h10 r180; Top Pin Number "M11" at 935.04,1542.83 h10 r180; Top Pin Number "H14" at 856.3,1601.89 h10 r180; Top Pin Number "H12" at 856.3,1562.52 h10 r180; Top Pin Number "N14" at 954.73,1601.89 h10 r180; Top Pin Number "J14" at 875.99,1601.89 h10 r180; Top Pin Number "L14" at 915.36,1601.89 h10 r180; Top Pin Number "P14" at 974.41,1601.89 h10 r180; Top Pin Number "P12" at 974.41,1562.52 h10 r180; Top Pin Number "W10" at 1072.84,1523.14 h10 r180; Top Pin Number "W14" at 1072.84,1601.89 h10 r180; Top Pin Number "W12" at 1072.84,1562.52 h10 r180; Top Pin Number "W16" at 1072.84,1641.26 h10 r180; Top Pin Number "W18" at 1072.84,1680.63 h10 r180; Top Pin Number "A21" at 718.51,1739.68 h10 r180; Top Pin Number "E19" at 797.25,1700.31 h10 r180; Top Pin Number "L19" at 915.36,1700.31 h10 r180; Top Pin Number "J19" at 875.99,1700.31 h10 r180; Top Pin Number "G19" at 836.62,1700.31 h10 r180; Top Pin Number "N19" at 954.73,1700.31 h10 r180; Top Pin Number "U19" at 1033.47,1700.31 h10 r180; Top Pin Number "R19" at 994.1,1700.31 h10 r180; Top Pin Number "AA21" at 1104.21,1739.68 h10 r180; Top Pin Number "F21" at 816.93,1739.68 h10 r180; Top Pin Number "G20" at 836.62,1720 h10 r180; Top Pin Number "H20" at 856.3,1720 h10 r180; Top Pin Number "D14" at 777.56,1601.89 h10 r180; Top Pin Number "C21" at 757.88,1739.68 h10 r180; Top Pin Number "G21" at 836.62,1739.68 h10 r180; Top Pin Number "E20" at 797.25,1720 h10 r180; Top Pin Number "F20" at 816.93,1720 h10 r180; Top Pin Number "G17" at 836.62,1660.94 h10 r180; Top Pin Number "J17" at 875.99,1660.94 h10 r180; Top Pin Number "G18" at 836.62,1680.63 h10 r180; Top Pin Number "W21" at 1072.84,1739.68 h10 r180; Top Pin Number "N17" at 954.73,1660.94 h10 r180; Top Pin Number "N20" at 954.73,1720 h10 r180; Top Pin Number "D12" at 777.56,1562.52 h10 r180; Top Pin Number "B20" at 738.19,1720 h10 r180; Top Pin Number "V21" at 1053.15,1739.68 h10 r180; Top Pin Number "D8" at 785.56,1483.77 h10 r180; Top Pin Number "B21" at 738.19,1739.68 h10 r180; Top Pin Number "R17" at 994.1,1660.94 h10 r180; Top Pin Number "K21" at 895.67,1739.68 h10 r180; Top Pin Number "B19" at 738.19,1700.31 h10 r180; Top Pin Number "L21" at 915.36,1739.68 h10 r180; Top Pin Number "Y21" at 1092.52,1739.68 h10 r180; Top Pin Number "U20" at 1033.47,1720 h10 r180; Top Pin Number "U21" at 1033.47,1739.68 h10 r180; Top Pin Number "L20" at 915.36,1720 h10 r180; Top Pin Number "T20" at 1013.78,1720 h10 r180; Top Pin Number "K20" at 895.67,1720 h10 r180; Top Pin Number "L17" at 915.36,1660.94 h10 r180; Top Pin Number "J21" at 875.99,1739.68 h10 r180; Top Pin Number "P20" at 974.41,1720 h10 r180; Top Pin Number "P21" at 974.41,1739.68 h10 r180; Top Pin Number "J20" at 875.99,1720 h10 r180; Top Pin Number "U18" at 1033.47,1680.63 h10 r180; Top Pin Number "N21" at 954.73,1739.68 h10 r180; Top Pin Number "M20" at 935.04,1720 h10 r180; Top Pin Number "R18" at 994.1,1680.63 h10 r180; Top Pin Number "M21" at 935.04,1739.68 h10 r180; Top Pin Number "T21" at 1013.78,1739.68 h10 r180; Top Pin Number "R21" at 994.1,1739.68 h10 r180; Top Pin Number "R20" at 994.1,1720 h10 r180; Top Pin Number "N18" at 954.73,1680.63 h10 r180; Top Pin Number "W20" at 1072.84,1720 h10 r180; Top Pin Number "V20" at 1053.15,1720 h10 r180; Top Pin Number "L18" at 915.36,1680.63 h10 r180; Top Pin Number "F6" at 824.93,1444.4 h10 r180; Top Pin Number "E8" at 805.25,1483.77 h10 r180; Top Pin Number "F8" at 824.93,1483.77 h10 r180; Top Pin Number "R8" at 1002.1,1483.77 h10 r180; Top Pin Number "G16" at 836.62,1641.26 h10 r180; Top Pin Number "L15" at 915.36,1621.57 h10 r180; Top Pin Number "F16" at 816.93,1641.26 h10 r180; Top Pin Number "A9" at 726.51,1503.46 h10 r180; Top Pin Number "E6" at 805.25,1444.4 h10 r180; Top Pin Number "B10" at 738.19,1523.14 h10 r180; Top Pin Number "A6" at 726.51,1444.4 h10 r180; Top Pin Number "B9" at 746.19,1503.46 h10 r180; Top Pin Number "A8" at 726.51,1483.77 h10 r180; Top Pin Number "A7" at 726.51,1464.09 h10 r180; Top Pin Number "A10" at 718.51,1523.14 h10 r180; Top Pin Number "D6" at 785.56,1444.4 h10 r180; Top Pin Number "B8" at 746.19,1483.77 h10 r180; Top Pin Number "T6" at 1021.78,1444.4 h10 r180; Top Pin Number "N6" at 962.73,1444.4 h10 r180; Top Pin Number "R6" at 1002.1,1444.4 h10 r180; Top Pin Number "N7" at 962.73,1464.09 h10 r180; Top Pin Number "L7" at 923.36,1464.09 h10 r180; Top Pin Number "B6" at 746.19,1444.4 h10 r180; Top Pin Number "L6" at 923.36,1444.4 h10 r180; Top Pin Number "J7" at 883.99,1464.09 h10 r180; Top Pin Number "J6" at 883.99,1444.4 h10 r180; Top Pin Number "G6" at 844.62,1444.4 h10 r180; Top Pin Number "B7" at 746.19,1464.09 h10 r180; Top Pin Number "W8" at 1080.84,1483.77 h10 r180; Top Pin Number "R10" at 994.1,1523.14 h10 r180; Top Pin Number "R12" at 994.1,1562.52 h10 r180; Top Pin Number "F10" at 816.93,1523.14 h10 r180; Top Pin Number "G8" at 844.62,1483.77 h10 r180; Top Pin Number "J16" at 875.99,1641.26 h10 r180; Top Pin Number "J15" at 875.99,1621.57 h10 r180; Top Pin Number "R14" at 994.1,1601.89 h10 r180; Top Pin Number "B3" at 746.19,1385.35 h10 r180; Top Pin Number "A2" at 726.51,1365.66 h10 r180; Top Pin Number "E12" at 797.25,1562.52 h10 r180; Top Pin Number "B5" at 746.19,1424.72 h10 r180; Top Pin Number "B4" at 746.19,1405.03 h10 r180; Top Pin Number "B15" at 738.19,1621.57 h10 r180; Top Pin Number "A15" at 718.51,1621.57 h10 r180; Top Pin Number "C1" at 765.88,1345.98 h10 r180; Top Pin Number "A4" at 726.51,1405.03 h10 r180; Top Pin Number "B1" at 746.19,1345.98 h10 r180; Top Pin Number "A5" at 726.51,1424.72 h10 r180; Top Pin Number "A3" at 726.51,1385.35 h10 r180; Top Pin Number "C11" at 757.88,1542.83 h10 r180; Top Pin Number "A14" at 718.51,1601.89 h10 r180; Top Pin Number "B2" at 746.19,1365.66 h10 r180; Top Pin Number "B14" at 738.19,1601.89 h10 r180; Top Pin Number "A18" at 718.51,1680.63 h10 r180; Top Pin Number "V4" at 1061.15,1405.03 h10 r180; Top Pin Number "A20" at 718.51,1720 h10 r180; Top Pin Number "B17" at 738.19,1660.94 h10 r180; Top Pin Number "AA2" at 1112.21,1365.66 h10 r180; Top Pin Number "A19" at 718.51,1700.31 h10 r180; Top Pin Number "Y3" at 1100.52,1385.35 h10 r180; Top Pin Number "U4" at 1041.47,1405.03 h10 r180; Top Pin Number "B18" at 738.19,1680.63 h10 r180; Top Pin Number "B16" at 738.19,1641.26 h10 r180; Top Pin Number "F14" at 816.93,1601.89 h10 r180; Top Pin Number "B13" at 738.19,1582.2 h10 r180; Top Pin Number "A13" at 718.51,1582.2 h10 r180; Top Pin Number "B12" at 738.19,1562.52 h10 r180; Top Pin Number "A12" at 718.51,1562.52 h10 r180; Top Pin Number "A17" at 718.51,1660.94 h10 r180
U201: Top Overlay "12" at 1201,1091 h30 r90; Top Overlay "1" at 672.7,1107.09 h30; Top Overlay "A" at 709.71,1104.84 h30; Top Overlay "AB" at 737,560 h30 r90; Top Pin Number "R2" at 805.1,751.4 h10; Top Pin Number "P2" at 805.1,776.99 h10; Top Pin Number "R9" at 1025.57,751.4 h10; Top Pin Number "R10" at 1049.07,751.4 h10; Top Pin Number "R11" at 1080.56,751.4 h10; Top Pin Number "P11" at 1080.56,776.99 h10; Top Pin Number "P4" at 868.09,776.99 h10; Top Pin Number "P5" at 899.59,776.99 h10; Top Pin Number "P9" at 1025.57,776.99 h10; Top Pin Number "P8" at 994.07,776.99 h10; Top Pin Number "R4" at 868.09,751.4 h10; Top Pin Number "R3" at 836.59,751.4 h10; Top Pin Number "Y3" at 836.59,623.45 h10; Top Pin Number "Y10" at 1049.07,623.45 h10; Top Pin Number "A1" at 773.6,1109.67 h10; Top Pin Number "A11" at 1080.56,1109.67 h10; Top Pin Number "A12" at 1112.06,1109.67 h10; Top Pin Number "A2" at 805.1,1109.67 h10; Top Pin Number "AA1" at 765.6,597.86 h10; Top Pin Number "AA12" at 1104.06,597.86 h10; Top Pin Number "AB1" at 765.6,572.27 h10; Top Pin Number "AB11" at 1072.56,572.27 h10; Top Pin Number "AB12" at 1104.06,572.27 h10; Top Pin Number "AB2" at 797.1,572.27 h10; Top Pin Number "B1" at 773.6,1084.08 h10; Top Pin Number "B12" at 1112.06,1084.08 h10; Top Pin Number "AA2" at 797.1,597.86 h10; Top Pin Number "V11" at 1080.56,674.63 h10; Top Pin Number "U11" at 1080.56,700.22 h10; Top Pin Number "U9" at 1025.57,700.22 h10; Top Pin Number "V9" at 1025.57,674.63 h10; Top Pin Number "Y9" at 1025.57,623.45 h10; Top Pin Number "AA9" at 1017.57,597.86 h10; Top Pin Number "Y2" at 805.1,623.45 h10; Top Pin Number "V2" at 805.1,674.63 h10; Top Pin Number "U2" at 805.1,700.22 h10; Top Pin Number "U4" at 868.09,700.22 h10; Top Pin Number "V4" at 868.09,674.63 h10; Top Pin Number "Y4" at 868.09,623.45 h10; Top Pin Number "AA4" at 860.09,597.86 h10; Top Pin Number "AA11" at 1072.56,597.86 h10; Top Pin Number "Y11" at 1080.56,623.45 h10; Top Pin Number "V3" at 836.59,674.63 h10; Top Pin Number "W3" at 836.59,649.04 h10; Top Pin Number "V10" at 1049.07,674.63 h10; Top Pin Number "W10" at 1049.07,649.04 h10; Top Pin Number "K5" at 899.59,879.36 h10; Top Pin Number "K8" at 994.07,879.36 h10; Top Pin Number "N5" at 899.59,802.58 h10; Top Pin Number "N8" at 994.07,802.58 h10; Top Pin Number "T2" at 805.1,725.81 h10; Top Pin Number "F11" at 1080.56,981.72 h10; Top Pin Number "E11" at 1080.56,1007.31 h10; Top Pin Number "C9" at 1025.57,1058.49 h10; Top Pin Number "E4" at 868.09,1007.31 h10; Top Pin Number "B4" at 868.09,1084.08 h10; Top Pin Number "B11" at 1080.56,1084.08 h10; Top Pin Number "A5" at 899.59,1109.67 h10; Top Pin Number "B2" at 805.1,1084.08 h10; Top Pin Number "C4" at 868.09,1058.49 h10; Top Pin Number "D10" at 1049.07,1032.9 h10; Top Pin Number "J2" at 805.1,904.95 h10; Top Pin Number "E9" at 1025.57,1007.31 h10; Top Pin Number "C11" at 1080.56,1058.49 h10; Top Pin Number "F4" at 868.09,981.72 h10; Top Pin Number "T11" at 1080.56,725.81 h10; Top Pin Number "H2" at 805.1,930.54 h10; Top Pin Number "C2" at 805.1,1058.49 h10; Top Pin Number "J5" at 899.59,904.95 h10; Top Pin Number "D3" at 836.59,1032.9 h10; Top Pin Number "J4" at 868.09,904.95 h10; Top Pin Number "F9" at 1025.57,981.72 h10; Top Pin Number "E3" at 836.59,1007.31 h10; Top Pin Number "E2" at 805.1,1007.31 h10; Top Pin Number "C10" at 1049.07,1058.49 h10; Top Pin Number "B9" at 1025.57,1084.08 h10; Top Pin Number "H3" at 836.59,930.54 h10; Top Pin Number "H9" at 1025.57,930.54 h10; Top Pin Number "H11" at 1080.56,930.54 h10; Top Pin Number "J11" at 1080.56,904.95 h10; Top Pin Number "H10" at 1049.07,930.54 h10; Top Pin Number "E10" at 1049.07,1007.31 h10; Top Pin Number "F2" at 805.1,981.72 h10; Top Pin Number "J9" at 1025.57,904.95 h10; Top Pin Number "H4" at 868.09,930.54 h10; Top Pin Number "J8" at 994.07,904.95 h10; Top Pin Number "C3" at 836.59,1058.49 h10; Top Pin Number "AB5" at 891.59,572.27 h10; Top Pin Number "AB3" at 828.59,572.27 h10; Top Pin Number "AB8" at 986.07,572.27 h10; Top Pin Number "AB10" at 1041.07,572.27 h10; Top Pin Number "Y1" at 773.6,623.45 h10; Top Pin Number "V1" at 773.6,674.63 h10; Top Pin Number "T1" at 773.6,725.81 h10; Top Pin Number "W2" at 805.1,649.04 h10; Top Pin Number "Y5" at 899.59,623.45 h10; Top Pin Number "V5" at 899.59,674.63 h10; Top Pin Number "T5" at 899.59,725.81 h10; Top Pin Number "W4" at 868.09,649.04 h10; Top Pin Number "T3" at 836.59,725.81 h10; Top Pin Number "Y8" at 994.07,623.45 h10; Top Pin Number "V8" at 994.07,674.63 h10; Top Pin Number "T8" at 994.07,725.81 h10; Top Pin Number "W9" at 1025.57,649.04 h10; Top Pin Number "T10" at 1049.07,725.81 h10; Top Pin Number "W11" at 1080.56,649.04 h10; Top Pin Number "Y12" at 1112.06,623.45 h10; Top Pin Number "V12" at 1112.06,674.63 h10; Top Pin Number "T12" at 1112.06,725.81 h10; Top Pin Number "P1" at 773.6,776.99 h10; Top Pin Number "N2" at 805.1,802.58 h10; Top Pin Number "J1" at 773.6,904.95 h10; Top Pin Number "K2" at 805.1,879.36 h10; Top Pin Number "N4" at 868.09,802.58 h10; Top Pin Number "K4" at 868.09,879.36 h10; Top Pin Number "P3" at 836.59,776.99 h10; Top Pin Number "J3" at 836.59,904.95 h10; Top Pin Number "N9" at 1025.57,802.58 h10; Top Pin Number "P10" at 1049.07,776.99 h10; Top Pin Number "N11" at 1080.56,802.58 h10; Top Pin Number "P12" at 1112.06,776.99 h10; Top Pin Number "K9" at 1025.57,879.36 h10; Top Pin Number "J10" at 1049.07,904.95 h10; Top Pin Number "J12" at 1112.06,904.95 h10; Top Pin Number "K11" at 1080.56,879.36 h10; Top Pin Number "C1" at 773.6,1058.49 h10; Top Pin Number "G1" at 773.6,956.13 h10; Top Pin Number "E1" at 773.6,1007.31 h10; Top Pin Number "G3" at 836.59,956.13 h10; Top Pin Number "D4" at 868.09,1032.9 h10; Top Pin Number "C5" at 899.59,1058.49 h10; Top Pin Number "E5" at 899.59,1007.31 h10; Top Pin Number "E8" at 994.07,1007.31 h10; Top Pin Number "C8" at 994.07,1058.49 h10; Top Pin Number "G8" at 994.07,956.13 h10; Top Pin Number "G5" at 899.59,956.13 h10; Top Pin Number "D2" at 805.1,1032.9 h10; Top Pin Number "G10" at 1049.07,956.13 h10; Top Pin Number "G12" at 1112.06,956.13 h10; Top Pin Number "C12" at 1112.06,1058.49 h10; Top Pin Number "D11" at 1080.56,1032.9 h10; Top Pin Number "D9" at 1025.57,1032.9 h10; Top Pin Number "E12" at 1112.06,1007.31 h10; Top Pin Number "A3" at 836.59,1109.67 h10; Top Pin Number "A10" at 1049.07,1109.67 h10; Top Pin Number "AB4" at 860.09,572.27 h10; Top Pin Number "AB9" at 1017.57,572.27 h10; Top Pin Number "R1" at 773.6,751.4 h10; Top Pin Number "U5" at 899.59,700.22 h10; Top Pin Number "R5" at 899.59,751.4 h10; Top Pin Number "U8" at 994.07,700.22 h10; Top Pin Number "R8" at 994.07,751.4 h10; Top Pin Number "R12" at 1112.06,751.4 h10; Top Pin Number "N1" at 773.6,802.58 h10; Top Pin Number "K1" at 773.6,879.36 h10; Top Pin Number "H1" at 773.6,930.54 h10; Top Pin Number "K3" at 836.59,879.36 h10; Top Pin Number "N3" at 836.59,802.58 h10; Top Pin Number "H8" at 994.07,930.54 h10; Top Pin Number "H5" at 899.59,930.54 h10; Top Pin Number "N10" at 1049.07,802.58 h10; Top Pin Number "N12" at 1112.06,802.58 h10; Top Pin Number "K10" at 1049.07,879.36 h10; Top Pin Number "K12" at 1112.06,879.36 h10; Top Pin Number "H12" at 1112.06,930.54 h10; Top Pin Number "F8" at 994.07,981.72 h10; Top Pin Number "F5" at 899.59,981.72 h10; Top Pin Number "A4" at 868.09,1109.67 h10; Top Pin Number "A9" at 1025.57,1109.67 h10; Top Pin Number "W1" at 773.6,649.04 h10; Top Pin Number "AA5" at 891.59,597.86 h10; Top Pin Number "W5" at 899.59,649.04 h10; Top Pin Number "AA3" at 828.59,597.86 h10; Top Pin Number "U3" at 836.59,700.22 h10; Top Pin Number "W8" at 994.07,649.04 h10; Top Pin Number "AA8" at 986.07,597.86 h10; Top Pin Number "AA10" at 1041.07,597.86 h10; Top Pin Number "U10" at 1049.07,700.22 h10; Top Pin Number "W12" at 1112.06,649.04 h10; Top Pin Number "D1" at 773.6,1032.9 h10; Top Pin Number "B3" at 836.59,1084.08 h10; Top Pin Number "F3" at 836.59,981.72 h10; Top Pin Number "D5" at 899.59,1032.9 h10; Top Pin Number "D8" at 994.07,1032.9 h10; Top Pin Number "B5" at 899.59,1084.08 h10; Top Pin Number "B8" at 994.07,1084.08 h10; Top Pin Number "D12" at 1112.06,1032.9 h10; Top Pin Number "F10" at 1049.07,981.72 h10; Top Pin Number "B10" at 1049.07,1084.08 h10; Top Pin Number "U1" at 773.6,700.22 h10; Top Pin Number "T4" at 868.09,725.81 h10; Top Pin Number "T9" at 1025.57,725.81 h10; Top Pin Number "U12" at 1112.06,700.22 h10; Top Pin Number "F1" at 773.6,981.72 h10; Top Pin Number "F12" at 1112.06,981.72 h10; Top Pin Number "G4" at 868.09,956.13 h10; Top Pin Number "G9" at 1025.57,956.13 h10; Top Pin Number "G2" at 805.1,956.13 h10; Top Pin Number "A8" at 994.07,1109.67 h10; Top Pin Number "G11" at 1080.56,956.13 h10; Top Assembly "AB" at 693.96,561.54 h15; Top Assembly "A" at 717.58,1104.84 h15; Top Assembly "12" at 1127.03,1152.09 h15; Top Assembly "1" at 780.57,1152.09 h15